# Altium PCB PCB1.PcbDoc (part 1 of 2) (continued)
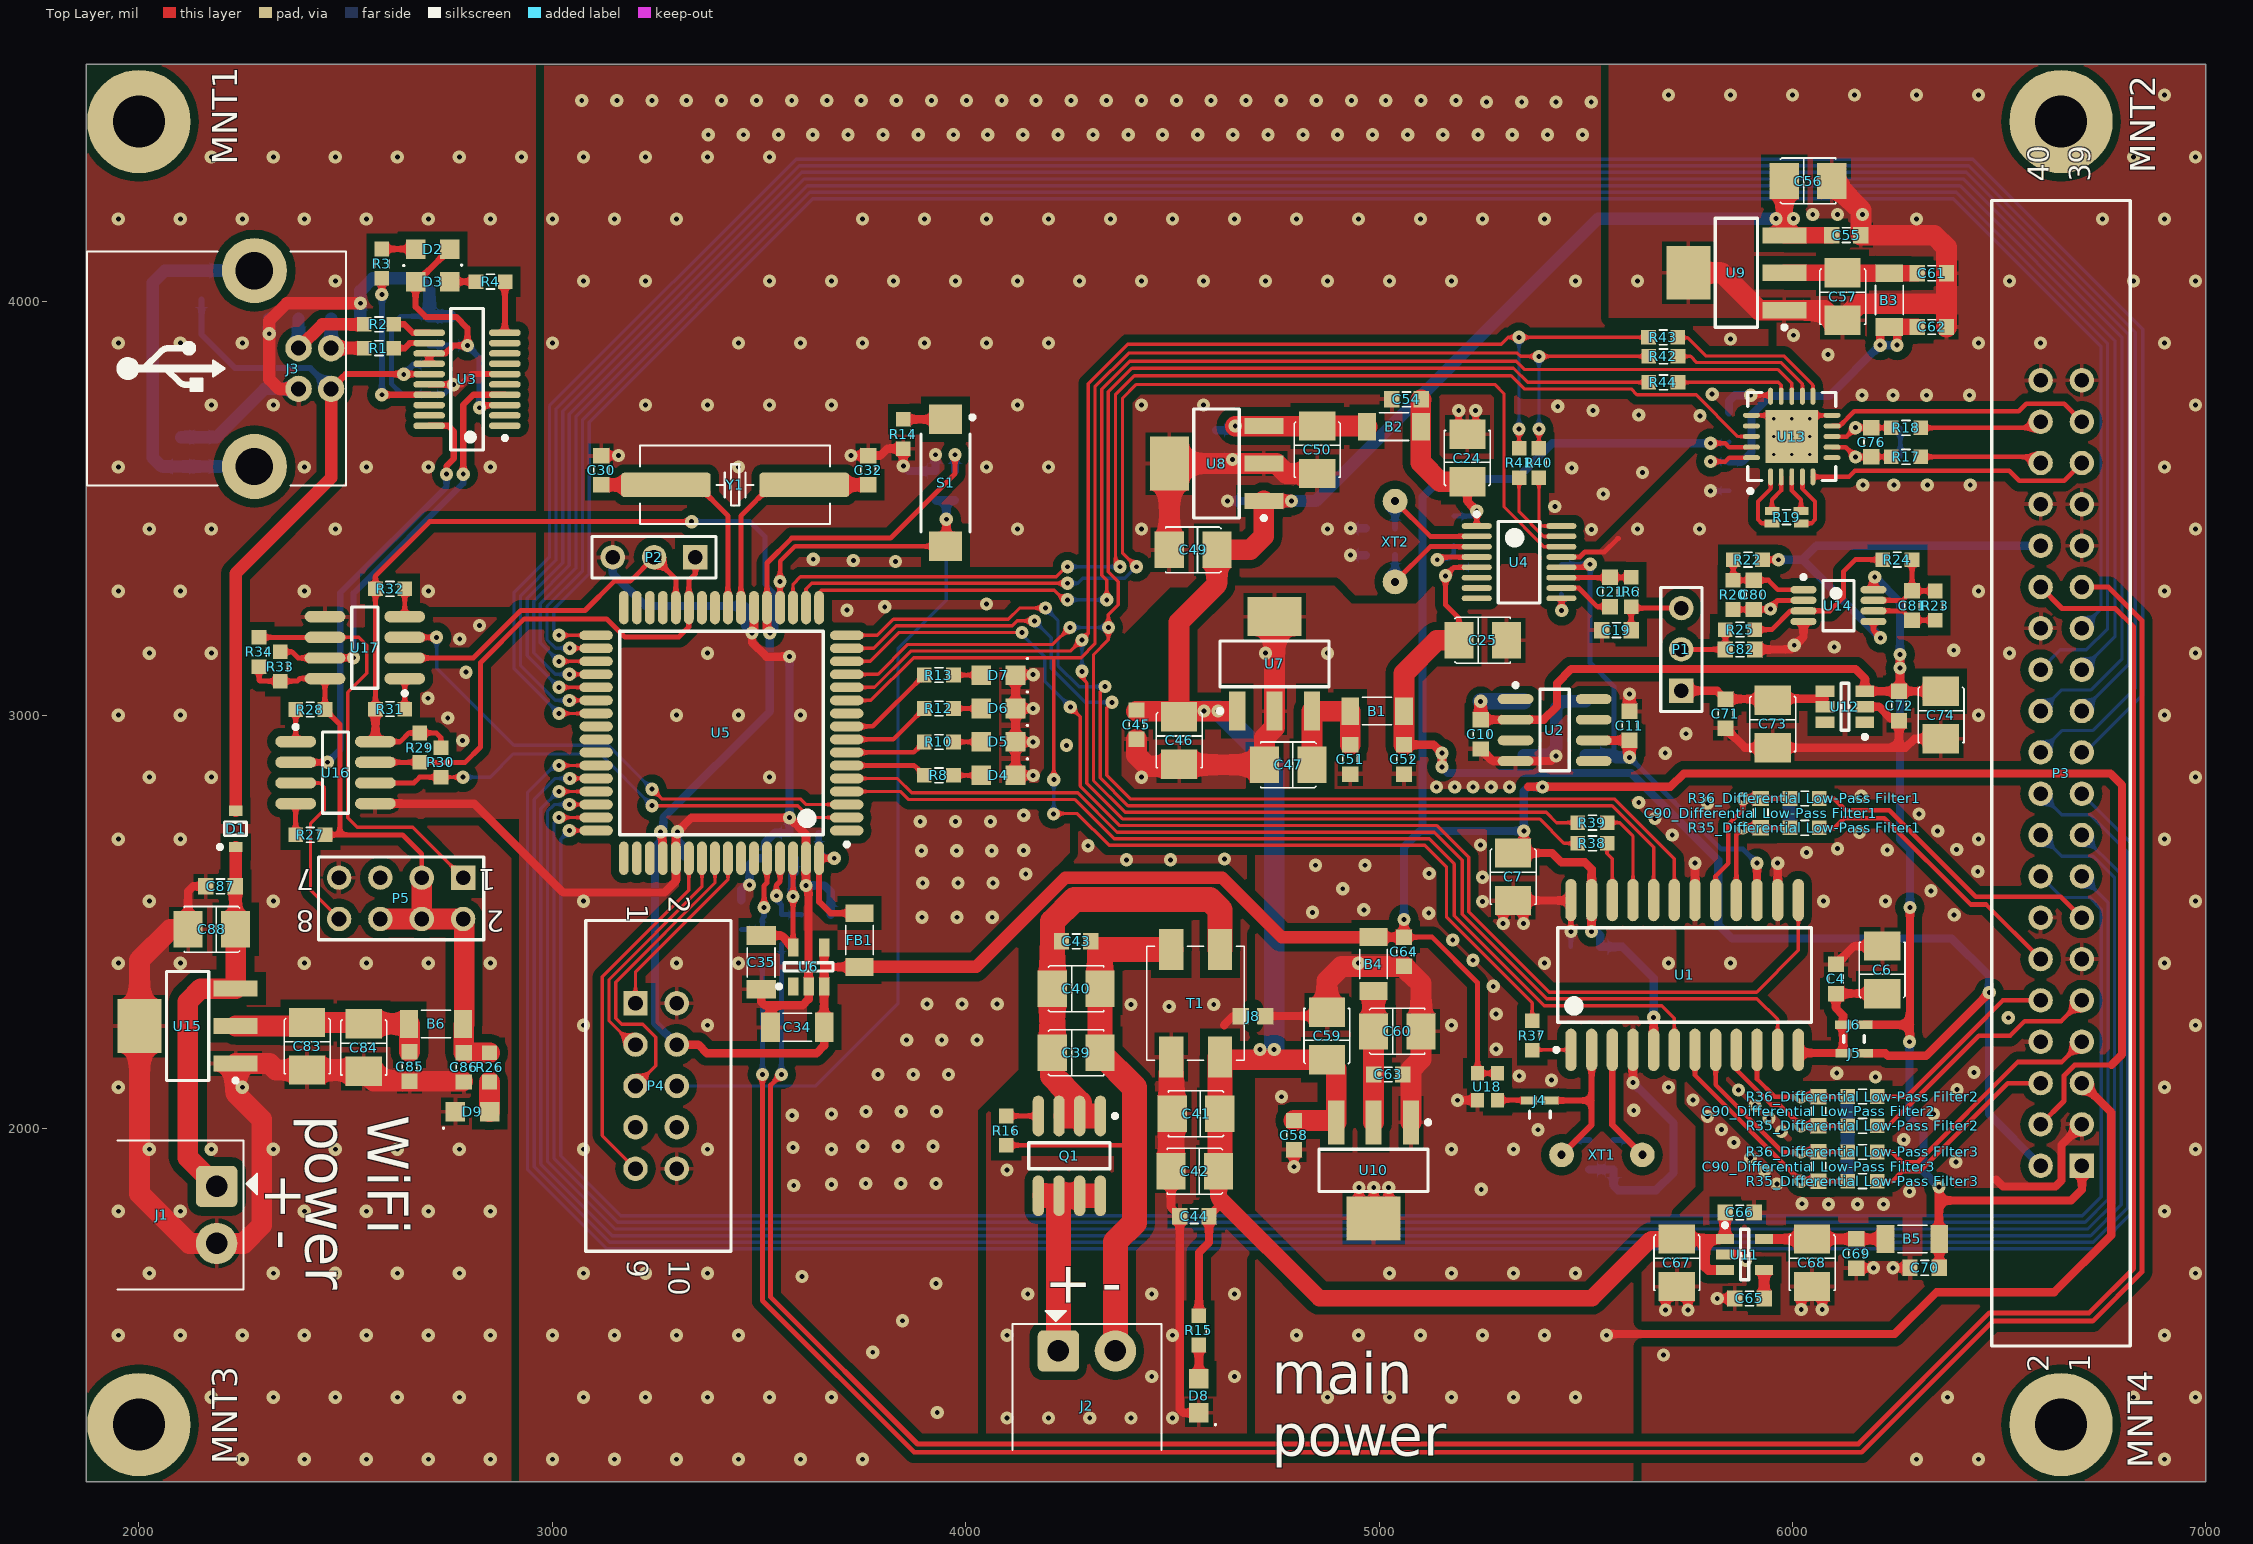
[diagram p0: Top Layer view]
## Components (designator, comment, footprint, x,y, rotation, side; value= is the part's Value field where it differs from the comment) (continued)
C79 "100n/50V" SMD_Capacitor_0603 5846.57,3578 r270 bottom
C80 "100n/50V" SMD_Capacitor_0603 5906,3291 r270 top
C81 "100n/50V" SMD_Capacitor_0603 6289,3265 r90 top
C82 "100n/50V" SMD_Capacitor_0603 5873,3159 r180 top
C83 "47u/16V" Tantalum_cap_B 2406.57,2199 r270 top
C84 "47u/16V" Tantalum_cap_B 2543.57,2196 r270 top
C85 "100n/50V" SMD_Capacitor_0603 2654.57,2150 r270 top
C86 "100n/50V" SMD_Capacitor_0603 2785.57,2148 r270 top
C87 "100n/50V" SMD_Capacitor_0603 2197,2586 r180 top
C88 "47u/16V" Tantalum_cap_B 2176.23,2482 r180 top
"C89_Differential Low-Pass Filter1" "C" C0603 5958,2727.57 r0 bottom (schematic designator C89)
"C89_Differential Low-Pass Filter2" "C" C0603 6098,2006.57 r0 bottom (schematic designator C89)
"C89_Differential Low-Pass Filter3" "C" C0603 6098,1872.57 r0 bottom (schematic designator C89)
"C90_Differential Low-Pass Filter1" "C" C0603 5923,2763 r90 top (schematic designator C90)
"C90_Differential Low-Pass Filter2" "C" C0603 6063,2042 r90 top (schematic designator C90)
"C90_Differential Low-Pass Filter3" "C" C0603 6063,1908 r90 top (schematic designator C90)
"C91_Differential Low-Pass Filter1" "C" C0603 5957,2798 r180 bottom (schematic designator C91)
"C91_Differential Low-Pass Filter2" "C" C0603 6097,2077 r180 bottom (schematic designator C91)
"C91_Differential Low-Pass Filter3" "C" C0603 6097,1943 r180 bottom (schematic designator C91)
D1 "PMEG3010" SOD-323 2233.71,2725 r90 top
D2 "green" "LED 0805 GREEN" 2710.54,4127.5 r180 top
D3 "yellow" "LED 0805 Yellow" 2710.54,4048.5 r0 top
D4 "LED3" "LED 0805 Blue" 4079,2854.33 r0 top
D5 "LED3" "LED 0805 Yellow" 4079,2935.22 r0 top
D6 "LED3" "LED 0805 GREEN" 4079,3016.11 r0 top
D7 "LED3" "LED 0805 RED" 4079,3097 r0 top
D8 "LED" "LED 0805 RED" 4564,1353.7 r270 top
D9 "LED?" "LED 0805 RED" 2806.66,2041 r180 top
FB1 "120R/100MHz" SMD_FerriteBead_1206 3743,2455.96 r90 top
J1 "2P_TERM_BLOCK_HEADER" 2P_PCB_TERM_BLOCK_HDR_RA 2188,1791 r0 top
J2 "2P_TERM_BLOCK_HEADER" 2P_PCB_TERM_BLOCK_HDR_RA 4293,1462 r90 top
J3 "USB-B" USB_TypeB_Tyco 1874.54,3838.5 r0 top
J4 "2 way net solder junction - Normally Open" "2waySolder_NO - 20 mils" 5388,2068 r0 top
J5 "2 way net solder junction - Normally Open" "2waySolder_NO - 20 mils" 6149,2182 r180 top
J6 "2 way net solder junction - Normally Open" "2waySolder_NO - 20 mils" 6148,2251 r0 top
J7 "2 way net tie junction" 2way_MP 4520,2807 r90 bottom net-tie
J8 "2 way net tie junction" 2way_MP 4695,2272 r180 top net-tie
MNT1 "Mounting Hole" PC-104_PcbMntHole_M3 2000,4436 r180 top
MNT2 "Mounting Hole" PC-104_PcbMntHole_M3 6649.5,4436 r0 top
MNT3 "Mounting Hole" PC-104_PcbMntHole_M3 2000,1284 r0 top
MNT4 "Mounting Hole" PC-104_PcbMntHole_M3 6649.5,1284 r0 top
P1 "Option_Header" "HEADER 1X3 MALE" 5731,3059 r90 top
P2 "UART-direct" "HEADER 1X3 MALE" 3346,3382 r180 top
P3 "IDC-40-RadFET" IDC-40-Male-Socket 6700,1910 r90 top
P4 "JTAG" IDC-10-Male-Socket 3201,2303 r270 top
P5 "ESP8266" "HEADER 2X4 FEMALE" 2784,2607 r180 top
Q1 "Si4403BDY" SOIC-8_M 4250.52,1934 r270 top
R1 "0603" SMD_Resistor_0603 2580.54,3887.71 r0 top
R2 "0603" SMD_Resistor_0603 2580.54,3945.5 r0 top
R3 "0603" SMD_Resistor_0603 2587.54,4092.07 r90 top
R4 "0603" SMD_Resistor_0603 2850.54,4048.5 r180 top
R5 "0603" SMD_Resistor_0603 2151.54,3636.93 r270 bottom
R6 "R" 0603 5609.48,3298 r270 top
R7 "100R/1%" SMD_Resistor_0603 3508,2446 r90 bottom
R8 "0603" SMD_Resistor_0603 3935,2854.33 r180 top
R9 "100R/1%" SMD_Resistor_0603 3554,2482 r270 bottom
R10 "0603" SMD_Resistor_0603 3935,2935.22 r180 top
R11 "0603" SMD_Resistor_0603 3974,3555 r90 bottom
R12 "0603" SMD_Resistor_0603 3935,3016.11 r180 top
R13 "0603" SMD_Resistor_0603 3935,3097 r180 top
R14 "0603" SMD_Resistor_0603 3849,3680.11 r270 top
R15 "0603" SMD_Resistor_0603 4564,1512 r270 top
R16 "1k/1%" SMD_Resistor_0603 4098,1995.02 r270 top
R17 "R" 0603 6274.57,3625 r0 top
R18 "R" 0603 6274.57,3695 r0 top
R19 "4.99k/0.01%/5 PPM" 0603_shunt 5985.57,3479 r0 top
R20 "0603" SMD_Resistor_0603 5856,3291 r90 top
R21 "0603" SMD_Resistor_0603 5906,3291 r270 bottom
R22 "0603" SMD_Resistor_0603 5892,3376 r180 top
R23 "0603" SMD_Resistor_0603 6345,3265 r270 top
R24 "0603" SMD_Resistor_0603 6253.57,3376 r0 top
R25 "0603" SMD_Resistor_0603 5873,3207 r0 top
R26 "0603" SMD_Resistor_0603 2848,2148 r270 top
R27 "0603" SMD_Resistor_0603 2414.43,2710.57 r0 top
R28 "0603" SMD_Resistor_0603 2414.43,3013.57 r0 top
R29 "0603" SMD_Resistor_0603 2679.46,2921.43 r90 top
R30 "0603" SMD_Resistor_0603 2730.46,2885.57 r90 top
R31 "0603" SMD_Resistor_0603 2607.48,3014.7 r180 top
R32 "0603" SMD_Resistor_0603 2607.48,3305.7 r180 top
R33 "0603" SMD_Resistor_0603 2341.46,3117.7 r270 top
R34 "0603" SMD_Resistor_0603 2290.46,3152.83 r270 top
"R35_Differential Low-Pass Filter1" "R" 0603 6029.3,2727.57 r180 top (schematic designator R35)
"R35_Differential Low-Pass Filter2" "R" 0603 6169.3,2006.57 r180 top (schematic designator R35)
"R35_Differential Low-Pass Filter3" "R" 0603 6169.3,1872.57 r180 top (schematic designator R35)
"R36_Differential Low-Pass Filter1" "R" 0603 6029.3,2798.43 r180 top (schematic designator R36)
"R36_Differential Low-Pass Filter2" "R" 0603 6169.3,2077.43 r180 top (schematic designator R36)
"R36_Differential Low-Pass Filter3" "R" 0603 6169.3,1943.43 r180 top (schematic designator R36)
R37 "100R" 0603 5370,2225 r270 top
R38 "100R" 0603 5516,2690 r0 top
R39 "100R" 0603 5516,2740 r0 top
R40 "100R" 0603 5386.48,3610 r270 top
R41 "100R" 0603 5338.48,3610 r270 top
R42 "100R" 0603 5687.57,3868 r0 top
R43 "100R" 0603 5687,3914 r0 top
R44 "100R" 0603 5687.57,3805 r0 top
S1 "SW-PB" "Tact Switch 3x6" 3951,3562 r270 top
T1 "2x10mR/5A" TDK_ACM7060 4556,2303 r270 top
U1 "AD7714YRZ" RW-24_M 5739,2371.51 r90 top
U2 "ADR4525BRZ" ADI-R-8_N 5424.51,2964 r0 top
U3 "COM-USB-FT231XS-IL20" SSOP-20_L 2793.54,3812.5 r180 top
U4 "DAC1220E" TI-DBQ16_N 5338.48,3370 r0 top
U5 "ATmega128A-AU" 64A_M 3409,2957 r180 top
U6 "LM4132BMF-1.8/NOPB" MF05A_N 3620,2391 r90 top
U7 "LM2940IMP-5.0/NOPB" MP04A_N 4747,3124 r90 top
U8 "LM2940IMP-5.0/NOPB" MP04A_N 4606.76,3608.72 r180 top
U9 "LMS8117AMP-3.3" MP04A_M 5864,4070 r180 top
U10 "LMS8117AMP-3.3" MP04A_M 4986.44,1898.96 r270 top
U11 "LP2985-10DBVR" TI-DBV5_N 5884.02,1695.29 r0 top
U12 "ADR130BUJZ-R2" ADI-UJ-6_M 6126.77,3020.4 r180 top
U13 "MAX31865ATP+" MAXM-T2055+5_M 5998.13,3674 r90 top
U14 "LTC6078ACMS8" LT-MS8-8_N 6111,3265 r0 top
U15 "LMS8117AMP-3.3" MP04A_M 2117.57,2248 r180 top
U16 "ACPL-K63L" SOIC-8_M 2475.46,2861 r0 top
U17 "ACPL-K63L" SOIC-8_M 2546.46,3163.27 r180 top
U18 "Ceramic Crystal" "2.0 x 2.5 mm" 5262,2101 r270 top
XT1 "2.4576MHz" HC49U 5539,1936.51 r0 top
XT2 "2.5MHz" HC49U 5038.48,3420 r90 top
Y1 "11.0592MHz" CRYSTAL_HC49-US-SM 3442,3557 r180 top

## Footprints (in the part's own frame and the unit in brackets; to place one, negate y for a bottom-side part, rotate by r counter-clockwise, add the part's x,y. Pads: shape width x height; smd on the part's side, far side on the other; paste and mask are expansions set on the pad)
"2.0 x 2.5 mm" [mm] "Ceramic Package SMD Oscillator"
  rect 0.9x0.8 smd: 1(-0.825,-0.625) 2(0.825,-0.625) 3(0.825,0.625) 4(-0.825,0.625)
  body extent -1.25,-1 1.25,1, height 0.8
2P_PCB_TERM_BLOCK_HDR_RA [mil] "TERM BLOCK HDR 2POS 3.81MM RIGHT-ANGLE"
  round 40 on Mech15: 0(-265,0)
  rrect25% 100x100 hole 52: 1(0,68.9)
  round 100 hole 52: 2(0,-68.9)
  silkscreen extent -240,-180 97,180, body extent -316,-166 46,165, height 276
2way_MP [mil] "2 way medium power net tie junction"
  rrect5% 40x40 smd paste-100: 1(-30,0) 2(30,0)
"2waySolder_NO - 20 mils" [mm] "2 way net solder junction - Normally Open"
  rect 1x0.508 smd paste-1.016: 1(-0.65,0) 2(0.65,0)
  silkscreen extent -0.62,-1.09 0.65,-0.66
64A_M [mm] "Thin QFP, 64-Leads, Body 14x14mm, Pitch 0.8mm, IPC Low Density"
  oval 2.05x0.6 smd: 1(-7.7,6) 2(-7.7,5.2) 3(-7.7,4.4) 4(-7.7,3.6) 5(-7.7,2.8) 6(-7.7,2) 7(-7.7,1.2) 8(-7.7,0.4) 9(-7.7,-0.4) 10(-7.7,-1.2) 11(-7.7,-2) 12(-7.7,-2.8) 13(-7.7,-3.6) 14(-7.7,-4.4) 15(-7.7,-5.2) 16(-7.7,-6) 33(7.7,-6) 34(7.7,-5.2) 35(7.7,-4.4) 36(7.7,-3.6) 37(7.7,-2.8) 38(7.7,-2) 39(7.7,-1.2) 40(7.7,-0.4) 41(7.7,0.4) 42(7.7,1.2) 43(7.7,2) 44(7.7,2.8) 45(7.7,3.6) 46(7.7,4.4) 47(7.7,5.2) 48(7.7,6)
  oval 0.6x2.05 smd: 17(-6,-7.7) 18(-5.2,-7.7) 19(-4.4,-7.7) 20(-3.6,-7.7) 21(-2.8,-7.7) 22(-2,-7.7) 23(-1.2,-7.7) 24(-0.4,-7.7) 25(0.4,-7.7) 26(1.2,-7.7) 27(2,-7.7) 28(2.8,-7.7) 29(3.6,-7.7) 30(4.4,-7.7) 31(5.2,-7.7) 32(6,-7.7) 49(6,7.7) 50(5.2,7.7) 51(4.4,7.7) 52(3.6,7.7) 53(2.8,7.7) 54(2,7.7) 55(1.2,7.7) 56(0.4,7.7) 57(-0.4,7.7) 58(-1.2,7.7) 59(-2,7.7) 60(-2.8,7.7) 61(-3.6,7.7) 62(-4.4,7.7) 63(-5.2,7.7) 64(-6,7.7)
  silkscreen extent -7.83,-6.25 6.25,6.97, body extent -8.12,-8.12 8.12,8.12, height 1.35
0603 [mm] "SMD Resistor, Inch 0603, Metric 1608."
  rect 0.9x0.9 smd: 1(-0.9,0) 2(0.9,0)
  silkscreen extent -0.25,-0.45 0.25,0.45, body extent -0.8,-0.45 0.8,0.45, height 0.5
0603_shunt [mm] "SMD Shunt Resistor, Inch 0603, Metric 1608."
  rect 0.9x0.5 smd: 1(-0.9,-0.381) 2(-0.889,0.381) 3(0.889,0.381) 4(0.9,-0.381)
  silkscreen extent -0.25,-0.45 0.25,0.45, body extent -0.8,-0.45 0.8,0.45, height 0.5
ADI-R-8_N [mm] "SOIC, 8-Leads, Body 4.9x3.9mm, Pitch 1.27mm, IPC Medium Density"
  oval 2.2x0.6 smd: 1(-2.4,1.905) 2(-2.4,0.635) 3(-2.4,-0.635) 4(-2.4,-1.905) 5(2.4,-1.905) 6(2.4,-0.635) 7(2.4,0.635) 8(2.4,1.905)
  silkscreen extent -2.52,-2.5 0.9,2.88, body extent -2,-2.5 2,2.5, height 1.75
ADI-UJ-6_M [mm] "SOT23, 6-Leads, Body 2.9x1.6mm, Pitch 0.95mm, IPC Low Density"
  rect 1.15x0.7 smd: 1(-1.225,0.95) 2(-1.225,0) 3(-1.225,-0.95) 4(1.225,-0.95) 5(1.225,0) 6(1.225,0.95)
  silkscreen extent -1.35,-1.45 0.25,1.97, body extent -0.8,-1.45 0.8,1.45, height 1
C0603 [mm] "SMD Capacitor, Inch 0603, Metric 1608."
  rect 0.95x1 smd: 1(-0.9,0) 2(0.9,0)
  silkscreen extent -0.25,-0.45 0.25,0.45, body extent -0.8,-0.4 0.8,0.4, height 0.3
CRYSTAL_HC49-US-SM [mm] "SMD Crystal HC49/US-SM package"
  round 0.508 on Mech15: 0(0,0)
  rrect25% 5.5x1.5 smd: 1(-4.25,0) 2(4.25,0)
  silkscreen extent -5.84,-2.41 5.84,2.41, body extent -6.4,-2.41 6.4,2.42, height 4.29
HC49U [mil]
  round 60 hole 19.68: 1(-97.64,0) 2(97.64,0)
  body extent -223,-92 217,92, height 531
"HEADER 1X3 MALE" [mm] "Connector; Header; 3 Position, Male"
  rect 1.5x1.5 hole 0.9: 1(0,0)
  round 1.5 hole 0.9: 2(2.54,0) 3(5.08,0)
  silkscreen extent -1.27,-1.27 6.35,1.27, body extent -1.17,-1.25 6.45,1.25, height 8.2
"HEADER 2X4 FEMALE" [mm] "Connector; Header; 4x2 Position; Female"
  rect 1.5x1.5 hole 0.9: 1(0,0)
  round 1.5 hole 0.9: 2(0,2.54) 3(2.54,0) 4(2.54,2.54) 5(5.08,0) 6(5.08,2.54) 7(7.62,0) 8(7.62,2.54)
  silkscreen extent -1.27,-1.27 8.89,3.81, body extent -1.39,-1.23 9.02,3.77, height 8.5
IDC-10-Male-Socket [mm] "IDC Connector; 10 pin, 2.54 mm pitch"
  rect 1.5x1.5 hole 0.9: 1(0,0)
  round 1.5 hole 0.9: 2(0,2.54) 3(2.54,0) 4(2.54,2.54) 5(5.08,0) 6(5.08,2.54) 7(7.62,0) 8(7.62,2.54) 9(10.16,0) 10(10.16,2.54)
  silkscreen extent -5.08,-3.05 15.24,5.87, body extent -5.07,-2.98 15.23,5.87, height 9.13
IDC-40-Male-Socket [mm] "Male Socket; IDC 40-pin, 2.54 mm pitch"
  rect 1.5x1.5 hole 0.9: 1(0,0)
  round 1.5 hole 0.9: 2(0,2.54) 3(2.54,0) 4(2.54,2.54) 5(5.08,0) 6(5.08,2.54) 7(7.62,0) 8(7.62,2.54) 9(10.16,0) 10(10.16,2.54) 11(12.7,0) 12(12.7,2.54) 13(15.24,0) 14(15.24,2.54) 15(17.78,0) 16(17.78,2.54) 17(20.32,0) 18(20.32,2.54) 19(22.86,0) 20(22.86,2.54) 21(25.4,0) 22(25.4,2.54) 23(27.94,0) 24(27.94,2.54) 25(30.48,0) 26(30.48,2.54) 27(33.02,0) 28(33.02,2.54) 29(35.56,0) 30(35.56,2.54) 31(38.1,0) 32(38.1,2.54) 33(40.64,0) 34(40.64,2.54) 35(43.18,0) 36(43.18,2.54) 37(45.72,0) 38(45.72,2.54) 39(48.26,0) 40(48.26,2.54)
  silkscreen extent -11.07,-2.97 59.31,5.54, body extent -11.07,-2.98 59.33,5.52, height 23.69
"LED 0805 Blue" [mm]
  rect 1.2x1.2 smd: 1(-1.05,0) 2(1.05,0)
  silkscreen extent 1.73,0.97 1.83,1.07, body extent -1.01,-0.62 1.01,0.63, height 1.1
"LED 0805 GREEN" [mm]
  rect 1.2x1.2 smd: 1(-1.05,0) 2(1.05,0)
  silkscreen extent 1.73,0.97 1.83,1.07, body extent -1.01,-0.62 1.01,0.63, height 1.1
"LED 0805 RED" [mm] "SODFL, 2-Leads, Body 1,25x2,00mm, IPC Medium Density"
  rect 1.2x1.2 smd: 1(-1.05,0) 2(1.05,0)
  silkscreen extent 1.73,0.97 1.83,1.07, body extent -1.01,-0.62 1.01,0.63, height 1.1
"LED 0805 Yellow" [mm]
  rect 1.2x1.2 smd: 1(-1.05,0) 2(1.05,0)
  silkscreen extent 1.73,0.97 1.83,1.07, body extent -1.01,-0.62 1.01,0.63, height 1.1
LT-MS8-8_N [mm] "SOP, 8-Leads, Body 3x3mm, Pitch 0.65mm, IPC Medium Density"
  oval 1.6x0.45 smd: 1(-2.15,0.975) 2(-2.15,0.325) 3(-2.15,-0.325) 4(-2.15,-0.975) 5(2.15,-0.975) 6(2.15,-0.325) 7(2.15,0.325) 8(2.15,0.975)
  silkscreen extent -2.27,-1.55 0.95,1.87, body extent -1.55,-1.55 1.55,1.55, height 1.1
MAXM-T2055+5_M [mm] "QFN, 20-Leads, Body 5x5mm, Pitch 0.65mm, Thermal Pad 3.25X3.25mm, IPC Low Density"
  oval 1.05x0.3 smd: 1(-2.475,1.3) 2(-2.475,0.65) 3(-2.475,0) 4(-2.475,-0.65) 5(-2.475,-1.3) 11(2.475,-1.3) 12(2.475,-0.65) 13(2.475,0) 14(2.475,0.65) 15(2.475,1.3)
  oval 0.3x1.05 smd: 6(-1.3,-2.475) 7(-0.65,-2.475) 8(0,-2.475) 9(0.65,-2.475) 10(1.3,-2.475) 16(1.3,2.475) 17(0.65,2.475) 18(0,2.475) 19(-0.65,2.475) 20(-1.3,2.475)
  rect 3.25x3.25 smd: 21(0,0)
  silkscreen extent -3.47,-2.7 2.7,2.7, body extent -2.55,-2.55 2.55,2.55, height 0.8
MF05A_N [mm] "SOT23, 5-Leads, Body 2.9x1.6mm, Pitch 0.95mm, Lead Span 2.8mm, IPC Medium Density"
  rect 1.1x0.65 smd: 1(-1.2,0.95) 2(-1.2,0) 3(-1.2,-0.95) 4(1.2,-0.95) 5(1.2,0.95)
  silkscreen extent -1.32,-1.5 0.25,1.95, body extent -0.83,-1.49 0.83,1.5, height 1.19
MP04A_M [mm] "SOT223, 4-Leads, Body 6.5x3.5mm, Pitch 2.3mm, Lead Span 7mm, IPC Low Density"
  rect 2.7x1 smd: 1(-2.95,2.3) 2(-2.95,0) 3(-2.95,-2.3)
  rect 2.7x3.3 smd: 4(2.95,0)
  silkscreen extent -3.08,-3.35 1.3,3.47, body extent -1.86,-3.35 1.86,3.35, height 1.8
MP04A_N [mm] "SOT223, 4-Leads, Body 6.5x3.5mm, Pitch 2.3mm, Lead Span 7mm, IPC Medium Density"
  rect 2.4x1 smd: 1(-2.9,2.3) 2(-2.9,0) 3(-2.9,-2.3)
  rect 2.4x3.3 smd: 4(2.9,0)
  silkscreen extent -3.02,-3.35 1.4,3.47, body extent -1.86,-3.35 1.86,3.35, height 1.8
PC-104_PcbMntHole_M3 [mm] "PCB Mounting Hole for PC-104 standard. Based on Pumpkin's Kit."
  round 6.35 hole 3.2: 1(0,0)
RW-24_M [mm] "SOIC, 24-Leads, Body 15.4x7.5mm, Pitch 1.27mm, IPC Low Density"
  oval 2.6x0.7 smd: 1(-4.6,6.985) 2(-4.6,5.715) 3(-4.6,4.445) 4(-4.6,3.175) 5(-4.6,1.905) 6(-4.6,0.635) 7(-4.6,-0.635) 8(-4.6,-1.905) 9(-4.6,-3.175) 10(-4.6,-4.445) 11(-4.6,-5.715) 12(-4.6,-6.985) 13(4.6,-6.985) 14(4.6,-5.715) 15(4.6,-4.445) 16(4.6,-3.175) 17(4.6,-1.905) 18(4.6,-0.635) 19(4.6,0.635) 20(4.6,1.905) 21(4.6,3.175) 22(4.6,4.445) 23(4.6,5.715) 24(4.6,6.985)
  silkscreen extent -4.72,-7.8 2.9,8.01, body extent -3.8,-7.8 3.8,7.8, height 2.65
SMD_Capacitor_0603 [mm] "SMD Capacitor, Inch 0603, Metric 1608."
  rect 0.95x1 smd: 1(-0.9,0) 2(0.9,0)
  silkscreen extent -0.25,-0.45 0.25,0.45, body extent -0.8,-0.4 0.8,0.4, height 0.3
SMD_Capacitor_1206 [mm] "SMD Capacitor, Inch 1206, Metric 3216."
  rect 1.15x1.8 smd: 1(-1.65,0) 2(1.65,0)
  silkscreen extent -0.9,-0.85 0.9,0.85, body extent -1.6,-0.8 1.6,0.8, height 1
SMD_FerriteBead_1206 [mm] "SMD Ferrite Bead, Inch 1206, Metric 3216."
  rect 1.1x1.7 smd: 1(-1.65,0) 2(1.65,0)
  silkscreen extent -0.9,-0.85 0.9,0.85, body extent -1.6,-0.8 1.6,0.8, height 1.1
SMD_Resistor_0603 [mm] "SMD Resistor, Inch 0603, Metric 1608."
  rect 0.9x0.9 smd: 1(-0.9,0) 2(0.9,0)
  silkscreen extent -0.25,-0.45 0.25,0.45, body extent -0.8,-0.45 0.8,0.45, height 0.5
SOD-323 [mm] "SOD, 2-Leads, Body 1.7x1.25mm"
  rect 0.63x0.83 smd: 1(1.115,0) 2(-1.115,0)
  silkscreen extent -1.24,-0.67 0.4,1.09, body extent -1.35,-0.61 1.35,0.64, height 1.1
SOIC-8_M [mm] "SOIC, 8-Leads, Body 4.9x3.9mm, Pitch 1.27mm, IPC Low Density"
  oval 2.5x0.7 smd: 1(-2.45,1.905) 2(-2.45,0.635) 3(-2.45,-0.635) 4(-2.45,-1.905) 5(2.45,-1.905) 6(2.45,-0.635) 7(2.45,0.635) 8(2.45,1.905)
  silkscreen extent -2.57,-2.5 0.8,2.93, body extent -3,-2.45 3,2.45, height 1.7
SSOP-20_L [mm] "SOP, 20-Leads, Body 8.6x3.9mm, Pitch 0.635mm, IPC High Density"
  oval 1.95x0.4 smd: 1(-2.325,2.857) 2(-2.325,2.222) 3(-2.325,1.587) 4(-2.325,0.952) 5(-2.325,0.317) 6(-2.325,-0.318) 7(-2.325,-0.953) 8(-2.325,-1.588) 9(-2.325,-2.223) 10(-2.325,-2.858) 11(2.325,-2.857) 12(2.325,-2.222) 13(2.325,-1.587) 14(2.325,-0.952) 15(2.325,-0.317) 16(2.325,0.318) 17(2.325,0.953) 18(2.325,1.588) 19(2.325,2.223) 20(2.325,2.858)
  silkscreen extent -2.45,-4.35 1,4.35, body extent -1.99,-4.37 1.99,4.37, height 1.76
"Tact Switch 3x6" [mm] "SODFL, 2-Leads, Body 3,00x8,00mm, IPC Medium Density"
  rect 1.8x2 smd: 1(-3.9,0) 2(3.9,0)
  silkscreen extent -4.15,-1.5 3,1.78, body extent -4,-1.8 4,1.8, height 2.6
Tantalum_cap_B [mm] "Tantalum capacitor B-package. Also named EIA 3528-21."
  rect 1.8x2.23 smd: 1(-1.46,0) 2(1.46,0)
  silkscreen extent -1.71,-1.4 1.69,1.42, body extent -1.85,-1.4 1.85,1.42, height 2.14
TDK_ACM7060 [mm] "TDK Common Mode Filters ACM7060 Series"
  rect 2.5x1.5 smd: 1(-3.3,1.5) 2(-3.3,-1.5) 3(3.3,-1.5) 4(3.3,1.5)
  silkscreen extent -3.5,-3 3.5,3, body extent -3.5,-3 3.5,3, height 3.5
TI-DBQ16_N [mm] "SOP, 16-Leads, Body 4.9x3.9mm, Pitch 0.635mm, IPC Medium Density"
  oval 1.85x0.35 smd: 1(-2.6,2.222) 2(-2.6,1.587) 3(-2.6,0.953) 4(-2.6,0.318) 5(-2.6,-0.318) 6(-2.6,-0.953) 7(-2.6,-1.587) 8(-2.6,-2.222) 9(2.6,-2.222) 10(2.6,-1.587) 11(2.6,-0.953) 12(2.6,-0.318) 13(2.6,0.318) 14(2.6,0.953) 15(2.6,1.587) 16(2.6,2.222)
  silkscreen extent -2.72,-2.5 1.28,3.07, body extent -2,-2.5 2,2.5, height 1.75
TI-DBV5_N [mm] "SOT23, 5-Leads, Body 2.9x1.6mm, Pitch 0.95mm, IPC Medium Density"
  rect 1.1x0.6 smd: 1(-1.2,0.95) 2(-1.2,0) 3(-1.2,-0.95) 4(1.2,-0.95) 5(1.2,0.95)
  silkscreen extent -1.32,-1.55 0.25,1.92, body extent -0.87,-1.52 0.87,1.53, height 1.45
USB_TypeB_Tyco [mm]
  round 1.626 hole 0.914: 1(14.99,-1.25) 2(14.99,1.25) 3(12.99,1.25) 4(12.99,-1.25)
  round 4 hole 2.3: MH(10.28,-6.02) MH(10.28,6.02)
  silkscreen extent 0,-7.2 15.9,7.2, body extent 0,-7.19 15.7,7.19, height 11.5

## Part data
B1 B2 B3 B4 B5 B6 FB1: library part BLM31PG121SH1L, "Ferrite bead, 1206, 0.02HM, 3.5A."
C1 C4 C5 C10 C11 C28 C29 C31 C36 C37 C38 C43 C44 C45 C48 C51 C52 C53 C54 C55 C58 C61 C62 C63 C64 C66 C69 C70 C71 C72 C75 C76 C77 C78 C79 C80 C81 C82 C85 C86 C87: library part Cer_C0603T104K5RALTU, "Ceramic Cap Kemet COTS 100n/50V X7R 0603"
C2 C3 C22 C23: library part Cer_GCM1885C1H100JA16D, "Ceramic Cap Murata Automotive 10p/50V C0G 0603"
C6 C7 C39 C40 C41 C42 C46 C47 C49 C50 C56 C57 C59 C60 C67 C68 C73 C74 C83 C84 C88: library part "Cap Tantalum", "Tantalum Capacitor"
C8 C9: library part Cer_C1206T106K4RACTU, "Ceramic Cap Kemet COTS 10u/16V X7R 1206"
C12 C13 C14 C15 C16 C17 C18 C33: library part Cap, "Capacitor"
C19 C20 C21 C26 C27 "C89_Differential Low-Pass Filter1" "C89_Differential Low-Pass Filter2" "C89_Differential Low-Pass Filter3" "C90_Differential Low-Pass Filter1" "C90_Differential Low-Pass Filter2" "C90_Differential Low-Pass Filter3" "C91_Differential Low-Pass Filter1" "C91_Differential Low-Pass Filter2" "C91_Differential Low-Pass Filter3": library part Cap, "Generic capacitor"
C24 C25: library part "Cap Pol", "Polarized Capacitor"
C30 C32: library part Cap1, "Capacitor"
D1: library part SchottkyX, "Schottky Rectifier"
D2 D3: library part LED2, "Typical RED, GREEN, YELLOW, AMBER GaAs LED"
D4 D5 D6 D7: "Typical BLUE SiC LED"
D8 D9: library part LED3, "Typical BLUE SiC LED"
J1 J2: "Terminal Block THT 2-position header 3.81mm pitch"
J3: library part USB_TypeB, "Connector THT Type B USB connector"
J4 J5 J6: library part 2waySolderNO
J7 J8: library part 2way
MNT1 MNT2 MNT3 MNT4: library part MntHole, "PCB Mounting Hole"
P1: "Option Header, 3-Pin"
P2: library part "Header 3", "Header, 3-Pin"
P4: library part "Header 5X2", "Header, 5-Pin, Dual row"
P5: library part "Header 4X2", "Header, 4-Pin, Dual row"
Q1: "P-Channel 1.8 V (G-S) MOSFET"
R1 R2 R3 R4 R5 R8 R10 R11 R12 R13 R14 R15 R20 R21 R22 R23 R24 R25 R26 R27 R28 R29 R30 R31 R32 R33 R34: library part Res2, "Resistor"
R6 R17 R18 "R35_Differential Low-Pass Filter1" "R35_Differential Low-Pass Filter2" "R35_Differential Low-Pass Filter3" "R36_Differential Low-Pass Filter1" "R36_Differential Low-Pass Filter2" "R36_Differential Low-Pass Filter3" R37 R38 R39 R40 R41 R42 R43 R44: library part Res, "Generic resistor"
R7 R9: library part CRCW0603100RFKxxxx, "100R/1% Vishay CRCW 0603 Resistor. 100mW, 100ppm, 75V."
R16: library part CRCW06031K00FKxxxx, "1k/1% Vishay CRCW 0603 Resistor. 100mW, 100ppm, 75V."
R19: library part Res_Shunt, "Generic shunt resistor"
S1: "Switch"
T1: library part ACM7060-301-2PL-TL01, "TDK ACM7060-301 Common Mode Choke"
U1: "5 Channel 24-Bit Signal Conditioning Analog-to-Digital Converter with Serial, SPI Interface, 500 uA, CMOS, 3 V / 5 V, 1KSPS, -40 to +105 degC, RW-24, Pb-Free, Tube"
U2: "Ultralow Noise, High Accuracy Voltage Reference, 2.5 V Output, 3 to 15 V Supply, Industrial, 8-pin SOIC (R-8), Tube"
U4: "20-Bit Delta-Sigma Low Power DAC, -40 to 85 degC, 16-pin SOP (DBQ16), Green (RoHS & no Sb/Br)"
U5: "8-bit AVR Microcontroller, 2.7-5.5V, 16MHz, 128KB Flash, 4KB EEPROM, 4KB SRAM, 64-pin TQFP, Industrial Grade (-40°C to 85°C)"
U6: "Precision Low Dropout Voltage Reference, 5-pin SOT-23, Pb-Free"
U7 U8: "1A Low Dropout Regulator, 4-pin SOT-223, Pb-Free"
U9 U10 U15: "1A Low-Dropout Linear Regulator, 4-pin SOT-223"
U11: "Single Output Low Noise LDO, 150 mA, Fixed 10 V Output, 2.2 to 16 V Input, with Low IQ, 5-pin SOT-23 (DBV), -40 to 125 degC, Green (RoHS & no Sb/Br)"
U12: "Precision Series Sub-Band Gap Voltage Reference, 1 V Output, 2 to 18 V Supply, Industrial, 6-pin SOT23 (UJ-6), Reel"
U13: "RTD-to-Digital Converter, 15 Bits Temperature Resolution, -40 to 125 degC, 20-Pin QFN (T2055+5), Pb-Free"
U14: "Dual Channel, Micropower, Precision Operational Amplifier, RRIO, 0.75 MHz Typical GBW, 0.05 V/us Typical SR, 2.7 to 5.5 V, 8-Pin SOP (MS8-8), Commercial"
U16 U17: "High Speed LVTTL Compatible 3.3 Volt/5 Volt Optocouplers"
U18: library part ISM95-3251AH1.0000, "Ceramic Crystal 1 MHz, A-Grade 25 ppm/deg"
XT1 XT2: library part Crystal, "AKER  C-2.4576-18-3050-X"
Y1: library part XTAL, "LF XTAL003519"

## Via types
v1: diameter 32, hole 11.81, Top Layer to Bottom Layer, tented both sides, 606 vias
v2: diameter 32, hole 11.81, Top Layer to Bottom Layer, 15 vias
v3: diameter 19.68, hole 7.87, Top Layer to Bottom Layer, tented both sides, 9 vias

## Nets (pads, with @x,y where several pads share a name; then routed paths per layer and width w, separated by ;. In a path a pad name is that pad's centre, name@x,y a point inside that pad or via, vN(x,y) a via of type N, cw(c..) or ccw(c..) an arc to the next point about the centre after c; other vN are vias at no path point)
1.8V-DIGITAL: C35.1 C38.1 U5.62 U6.5 | length 401.6
  Top Layer w12: U6.5@3582.23,2438.24 U5.62@3582.23,2653.85
  Top Layer w20: C35.1@3505,2466.96 3553.88,2466.96 U6.5@3582.6,2438.24
  Bottom Layer w20: v1(3582,2561) 3579.72,2563.28 3579.72,2613.72 3586.17,2620.17 C38.1@3586.17,2653.85
1A: P2.1 R29.1 U5.27 U16.7 | length 1225.1
  Top Layer w12: U16.7@2571.91,2886 R29.1@2679.46,2886 2789,2886 2826,2923 2826,3127 2932,3233 3131.12,3233 3175.12,3189 3306,3189 3330.26,3213.26 U5.27@3330.26,3260.15 3330.26,3326.26 3346,3342 P2.1@3346,3382
1B: U3.20 U16.2 | length 1069.2
  Top Layer w15: U16.2@2379,2886 v1(2456.09,2886) ; U3.20@2702,3700 2748.04,3700 2761.54,3686.5 2761.54,3620.54 2744,3603 v1(2744,3583)
  Bottom Layer w15: v1(2456.09,2886) 2487,2916.91 2487,3296 2744,3553 v1(2744,3583)
2A: R30.1 U5.2 U16.6 | length 1233.2
  Top Layer w8: R30.1@2730.46,2850.13 2730.59,2850 v1(2784,2850) ; v1(3241,2781) 3594,2781 3622.72,2752.28 U5.2@3712.15,2752.28
  Top Layer w12: U16.6@2571.91,2836 2664.89,2836 2679.02,2850.13 R30.1@2730.46,2850.13
  Bottom Layer w8: v1(2784,2850) 2849.64,2850 2905.9,2906.26 3115.74,2906.26 v1(3241,2781)
3.3V-ANALOG: B3.2 C62.1 C79.1 U13.20 | length 836
  Top Layer w11: v1(5801.57,3613.43) 5837,3613.43 5846.39,3622.82 U13.20@5900.69,3622.82
  Top Layer w20: v1(6212,3895) 6212,3917.04 ; v1(6253,3895) 6253,3917.04
  Top Layer w40: B3.2@6234,3939.04 C62.1@6301.57,3939.04
  Bottom Layer w11: v1(5801.57,3613.43) C79.1@5846.57,3613.43
  Bottom Layer w20: C79.1@5846.57,3613.43 5878.43,3613.43 5900.69,3635.69 5900.69,3726.69 5946,3772 6089,3772 v1(6212,3895) v1(6253,3895)
3.3V-DIGITAL: B4.2 C5.1 C7.1 C34.1 C36.1 C37.1 C64.1 C78.1 FB1.1 P3.4 P4.4 R11.2 R29.2 R30.2 R31.2 R32.2 U1.5 U1.23 U5.21 U5.52 U6.3 U6.4 U13.19 U16.8 U18.1 U18.4 | length 12065.8
  Top Layer w11: v1(5801.57,3657.8) 5837,3657.8 5846.39,3648.41 U13.19@5900.69,3648.41
  Top Layer w12: U16.8@2571.91,2936 2631.89,2936 2652.76,2956.87 R29.2@2679.46,2956.87 2719.16,2956.87 2730.46,2945.57 R30.2@2730.46,2921 ; R31.2@2572.05,3014.7 R32.2@2572.05,3305.7 2572.05,3337.05 2703,3468 v1(3337,3468) ; U5.21@3519.24,3260.15 3519.24,3368.24 3579,3428 3818,3428 3974,3584 v1(3974,3630) ; C64.1@5060,2462.96 5128.04,2462.96 5238,2353 U18.1@5238,2133.48 ; U18.1@5237.39,2133.48 U18.1@5238,2133.48 ; U18.4@5286.61,2133.48 U18.1@5238,2133.48 ; P3.4@6600,2010 6656.47,2066.47 6656.47,2128.03 6681.97,2153.53 6771.53,2153.53
  Top Layer w20: U16.8@2571.91,2936 2571.91,3014.57 R31.2@2572.05,3014.7 ; v1(3262,2718) 3265.58,2714.42 3265.58,2655.54 U5.52@3267.27,2653.85 ; P4.4@3301,2203 3353,2203 3374,2182 3639,2182 3657.4,2200.4 C34.1@3657.4,2245 U6.3@3657.4,2343.76 3657.4,2394 ; U5.21@3519.24,3260.15 3519.24,3205.76 v1(3526,3199) ; U6.4@3657.4,2438.24 3657.4,2394 ; FB1.1@3743,2391 3660.4,2391 3657.4,2394 ; B4.2@4986.44,2462.96 C64.1@5060,2462.96 v1(5060,2506) ; C7.1@5350,2666.48 5418.52,2666.48 5441,2644 5498,2644 5514,2628 U1.23@5514,2552.61 v1(5514,2476.49) ; C7.1@5350,2677.48 v1(5350,2720) ; 5360,2827 5705,2827 5737,2859 6769,2859 6797,2831 6797,2179 6771.53,2153.53 ; U1.5@5664,2189.59 v1(5664,2269)
  Top Layer w30: FB1.1@3743,2391 4025.05,2391 4241.05,2607 4620,2607 4764.04,2462.96 B4.2@4986.44,2462.96
  Bottom Layer w11: v1(5801.57,3657.8) 5842.8,3657.8 C78.1@5846.57,3661.57
  Bottom Layer w12: v1(3337,3468) 3478,3468 3514,3432 3514,3317.31 3537.43,3293.87 C37.1@3537.43,3264
  Bottom Layer w20: P4.4@3301,2203 3248.53,2255.47 3248.53,2658.04 C36.1@3247.57,2659 3247.57,2679.57 3262,2694 v1(3262,2718) 3268.76,2724.76 3268.76,2752 3526,3009.24 v1(3526,3199) 3537.43,3210.43 C37.1@3537.43,3264 ; R11.2@3974,3590.43 v1(3974,3630) ; v1(5060,2506) 5060,2681 5099,2720 v1(5350,2720) 5350,2816 5360,2826 v1(5395,2826) ; 5105,2723 5105,3528 5148,3571 5332,3571 5418.8,3657.8 v1(5801.57,3657.8) ; v1(5514,2476.49) 5525.51,2476.49 5534.87,2467.13 C5.1@5534.87,2439.49 5588.51,2439.49 5664,2364 v1(5664,2269)
3A: P2.2 U5.28 U17.2 | length 847.7
  Top Layer w12: U17.2@2642.91,3138.27 2808.98,3138.27 2923.72,3253 3079,3253 3150,3324 3188,3324 P2.2@3246,3382 3298.76,3329.24 U5.28@3298.76,3260.15
3B: R33.1 U3.4 U17.7 | length 1019.6
  Top Layer w12: R33.1@2339.02,3150.7 R33.1@2341.46,3153.13 2370.02,3153.13 2384.89,3138.27 U17.7@2450,3138.27
  Top Layer w15: U17.7@2450,3138.27 2450.73,3139 v1(2519,3139) ; v1(2784.54,3583) 2784.54,3750.5 2809.04,3775 U3.4@2885.07,3775
  Bottom Layer w15: v1(2519,3139) 2519,3295 2784.54,3560.54 v1(2784.54,3583)
3V3-ESP: B6.2 C86.1 P5.2 P5.3 P5.4 P5.6 R26.1 R27.2 R28.2 R33.2 R34.2 U17.8 | length 1586.7
  Top Layer w12: R34.2@2290.46,3117.4 2290.46,3084.7 2292.89,3082.27 R33.2@2341.46,3082.27 2383.02,3082.27 2389.46,3088.7 2449.57,3088.7 2449.87,3088.4 R28.2@2449.87,3013.57 2486.09,2977.35 2486.09,2873.57 2486,2873.49 2486,2710.57 ; R27.2@2449.87,2710.57 2486,2710.57 ; P5.3@2684,2607 2684,2664 2637.43,2710.57 2486,2710.57
  Top Layer w50: P5.6@2584,2507 P5.4@2684,2507 ; P5.3@2684,2607 P5.4@2684,2507 ; R26.1@2848,2183.43 C86.1@2785.57,2183.43 2785.57,2250.96 2786.57,2251.96 2786.57,2504.43 P5.2@2784,2507 P5.4@2684,2507
4.5V-ANALOG: B5.2 C9.1 C10.1 C70.1 C72.1 C74.1 J6.2 P3.1 U2.2 U12.3 U14.8 | length 3775.1
  Top Layer w20: C10.1@5245.51,2989 U2.2@5330.02,2989 5398,2989 5430,3021 5430,3077 5464.47,3111.47 6152.53,3111.47 6175,3089 U12.3@6175,3057.8 C72.1@6257.77,3057.8 ; J6.2@6173.59,2251 6284,2251 ; U14.8@6195.65,3311 6195.65,3330.65 v1(6199,3334) ; v1(6260,3147) 6260,3060.03 C72.1@6257.77,3057.8 ; v1@6284,2210 6284,2251 ; v1(6284,2535) 6284,2251 ; B5.2@6354,1719 6354,1826 ; v1(6354,1859) 6354,1826 ; C70.1@6354.96,1663 B5.2@6354.96,1733 ; C74.1@6358.77,3057.8 C72.1@6257.77,3057.8 ; P3.1@6700,1910 6700,1852 6674,1826 6354,1826
  Top Layer w30: C10.1@5245.51,2989 v1(5245.51,3033.49)
  Bottom Layer w20: v1(6199,3334) 6260,3273 v1(6260,3114) 6260,2699 6284,2675 v1(6284,2535) ; v1(6283,2210) 6283,2025.08 6317,1991.08 6317,1896 v1(6354,1859)
  Bottom Layer w40: v1(5245.51,3033.49) C9.1@5349.51,3033.49
4A: U5.3 U17.3 | length 1280.3
  Top Layer w8: v1(3241,2821) 3242,2821 3266,2797 3600.63,2797 3613.86,2783.77 U5.3@3712.15,2783.77
  Top Layer w12: U17.3@2642.91,3188.27 v1(2720,3188.27)
  Bottom Layer w8: v1(2720,3188.27) 2720,3114 2907,2927 3135,2927 v1(3241,2821)
5V-ANALOG: B1.2 C25.1 C27.1 C52.1 J5.1 P3.2 U4.5 | length 3336.2
  Top Layer w12: C25.1@5193,3181 5193,3234.48 5160.48,3267 v1(5160.48,3337) 5180.98,3357.5 U4.5@5236.12,3357.5
  Top Layer w20: C52.1@5059.96,2928.43 5131.57,2928.43 v1(5152,2908) v1(5152,2875) ; J5.1@6174.59,2182 6225,2182 6231,2176 6323,2176 v1(6476,2329)
  Top Layer w50: C52.1@5059.96,2928.43 B1.2@5059.96,3009.83 5059.96,3100.96 5140,3181 C25.1@5193,3181
  Bottom Layer w12: v1(5160.48,3337) 5180.91,3357.43 C27.1@5236.48,3357.43
  Bottom Layer w20: v1@5152,2898 5152,2874 5166,2860 5609.57,2860 5820,2649.57 5820,2494 5854,2460 6385,2460 6475,2370 6475,2035 P3.2@6600,1910
5V-DIGITAL: B2.2 C24.1 C26.1 C54.1 U4.1 | length 461.2
  Top Layer w12: U4.1@5236.12,3457.5 v1(5236.12,3494)
  Top Layer w20: C24.1@5213.48,3564.52 5213.48,3516.64 v1(5236.12,3494)
  Top Layer w50: C54.1@5101.43,3763 5100.96,3762.53 B2.2@5100.96,3698 5100.96,3611.04 5147.48,3564.52 C24.1@5213.48,3564.52
  Bottom Layer w12: C26.1@5180.48,3481.43 5223.55,3481.43 v1(5236.12,3494)
ADC_BUFFER: U1.13 U5.14 | length 3066.6
  Top Layer w8: U5.14@3712.15,3130.23 3769.23,3130.23 3839,3200 v1(4136,3200) ; v1(4253,3020) 4277,2996 4277,2828.49 4372.49,2733 5140,2733 5217,2656 5217,2524.63 5411.63,2330 5913,2330 6014,2431 U1.13@6014,2552.61
  Bottom Layer w8: v1(4136,3200) 4136,3196 4191,3141 4191,3082 v1(4253,3020)
ADC_CH0.NEGATIVE: "C90_Differential Low-Pass Filter3.2" "C91_Differential Low-Pass Filter3.2" "R36_Differential Low-Pass Filter3.2" U1.8 | length 512.7
  Top Layer w11: U1.8@5814,2190.41 5814,2105.44 5976.44,1943 v1(6020,1943) ; 6063,1943.43 6133.87,1943.43
  Top Layer w20: v1(6020,1943) 6062,1943
  Bottom Layer w20: v1(6020,1943) 6061.57,1943
ADC_CH0.POSITIVE: "C89_Differential Low-Pass Filter3.1" "C90_Differential Low-Pass Filter3.1" "R35_Differential Low-Pass Filter3.2" U1.7 | length 580.3
  Top Layer w11: U1.7@5764,2190.41 5764,2128.57 v1(6020,1872.57) ; 6063,1872.57 6133.87,1872.57
  Top Layer w20: v1(6020,1872.57) 6063,1872.57
  Bottom Layer w20: v1(6020,1872.57) 6062.57,1872.57
ADC_CH0_N: "R36_Differential Low-Pass Filter3.1" P3.7 | length 625.8
  Top Layer w11: 6205,1943 6240.83,1943 6265.27,1918.57 6302.7,1918.57 6545.13,2161 6651,2161 P3.7@6700,2210
ADC_CH0_P: "R35_Differential Low-Pass Filter3.1" P3.6 | length 493.6
  Top Layer w11: 6205,1872 6240.83,1872 6265.27,1896.43 6307.43,1896.43 6521,2110 P3.6@6600,2110
ADC_CH1.NEGATIVE: "C90_Differential Low-Pass Filter2.2" "C91_Differential Low-Pass Filter2.2" "R36_Differential Low-Pass Filter2.2" U1.10 | length 348.7
  Top Layer w11: U1.10@5914,2190.41 5914,2119.87 5956.87,2077 v1(6020,2077) ; 6063,2077.43 6133.87,2077.43
  Top Layer w20: v1(6020,2077) 6062,2077
  Bottom Layer w20: v1(6020,2077) 6061.57,2077
ADC_CH1.POSITIVE: "C89_Differential Low-Pass Filter2.1" "C90_Differential Low-Pass Filter2.1" "R35_Differential Low-Pass Filter2.2" U1.9 | length 416.4
  Top Layer w11: U1.9@5864,2190.41 5864,2143 5949,2058 5968.57,2058 v1(6020,2006.57) ; 6063,2006.57 6133.87,2006.57
  Top Layer w20: v1(6020,2006.57) 6063,2006.57
  Bottom Layer w20: v1(6020,2006.57) 6062.57,2006.57
ADC_CH1_N: "R36_Differential Low-Pass Filter2.1" P3.10 | length 491.5
  Top Layer w11: 6205,2077 6276,2077 6431,2232 6509,2310 P3.10@6600,2310